# Altium PCB 400484.PcbDoc (part 1 of 5)
Units mil, origin at the board's own origin, x right, y up, seen from the top; angles counter-clockwise.
Board outline 5375.1 x 2500 mil, 4 copper layers (Top Layer, Mid-Layer 1, Mid-Layer 2, Bottom Layer), stack 61.731 mil thick; 327 components, 226 nets, 1370 pads, 1365 vias.
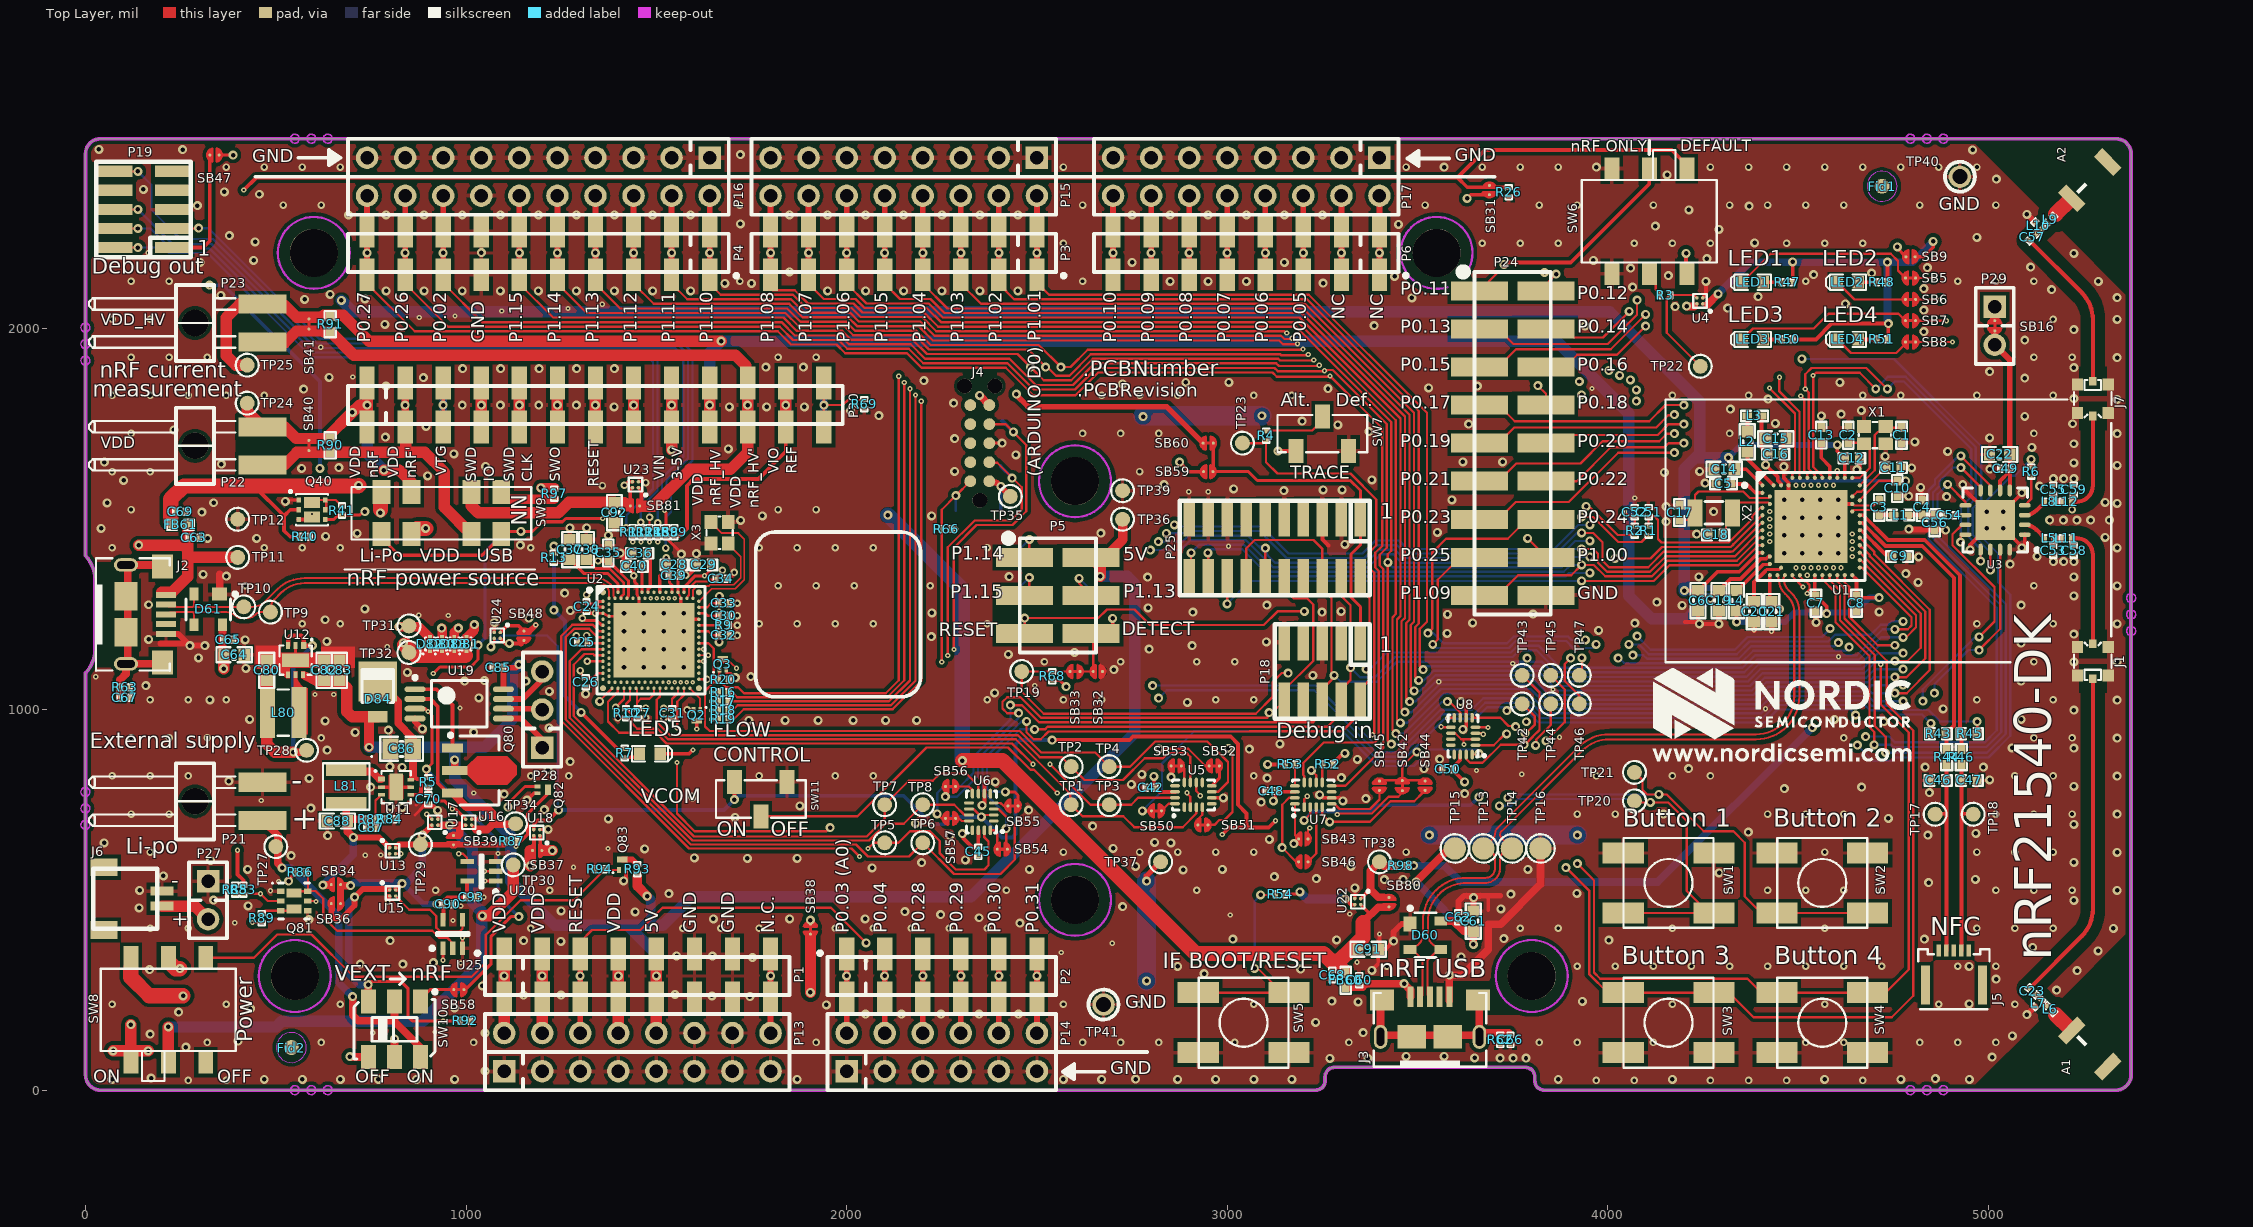
[diagram p0: Top Layer view]
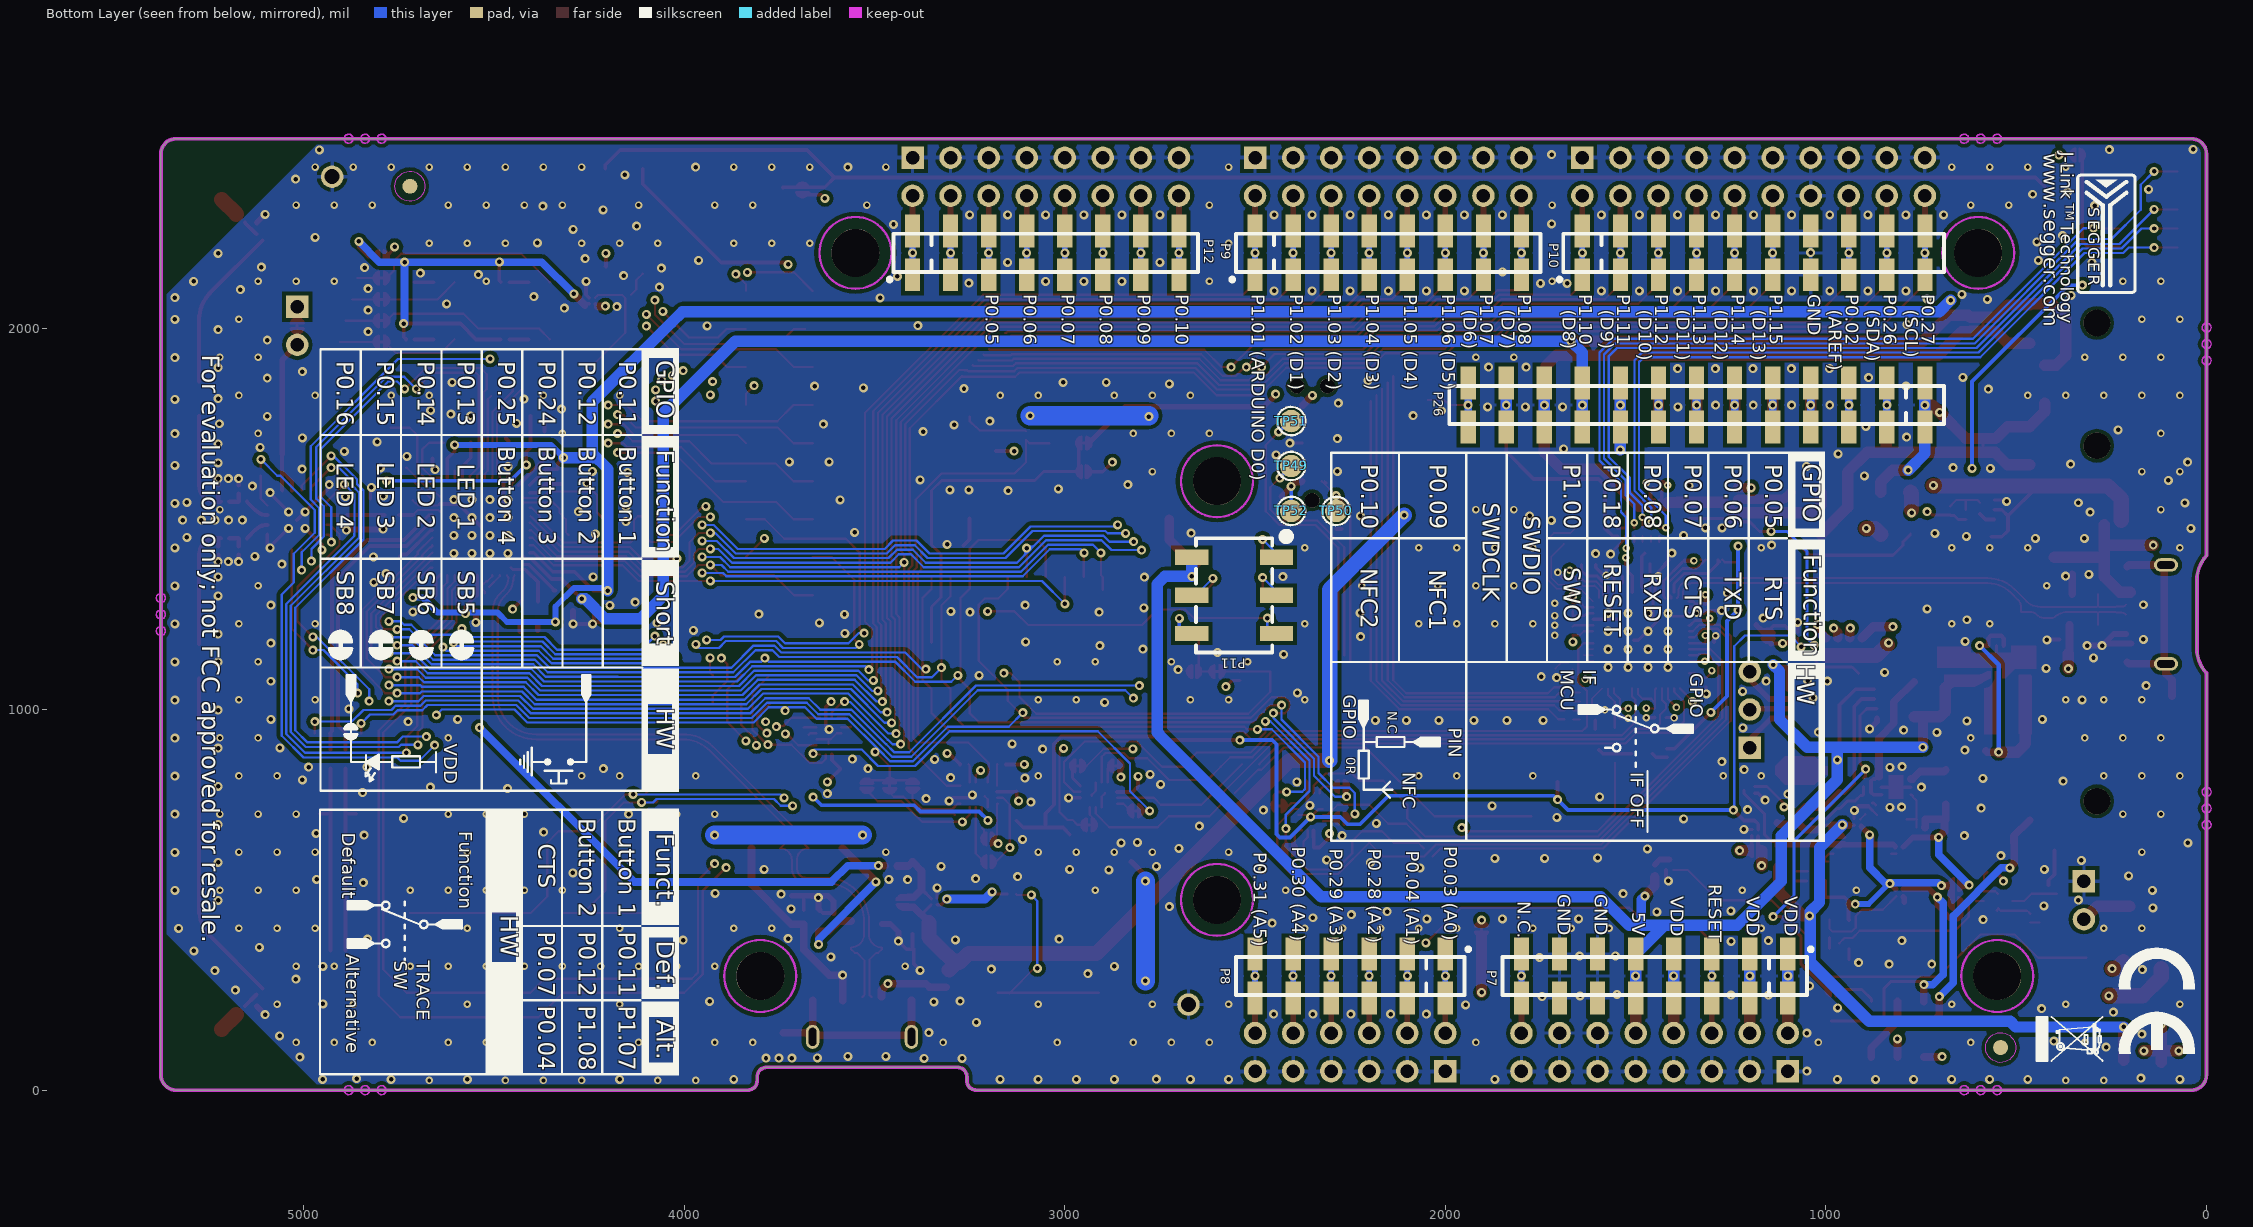
[diagram p1: Bottom Layer view, seen from below]
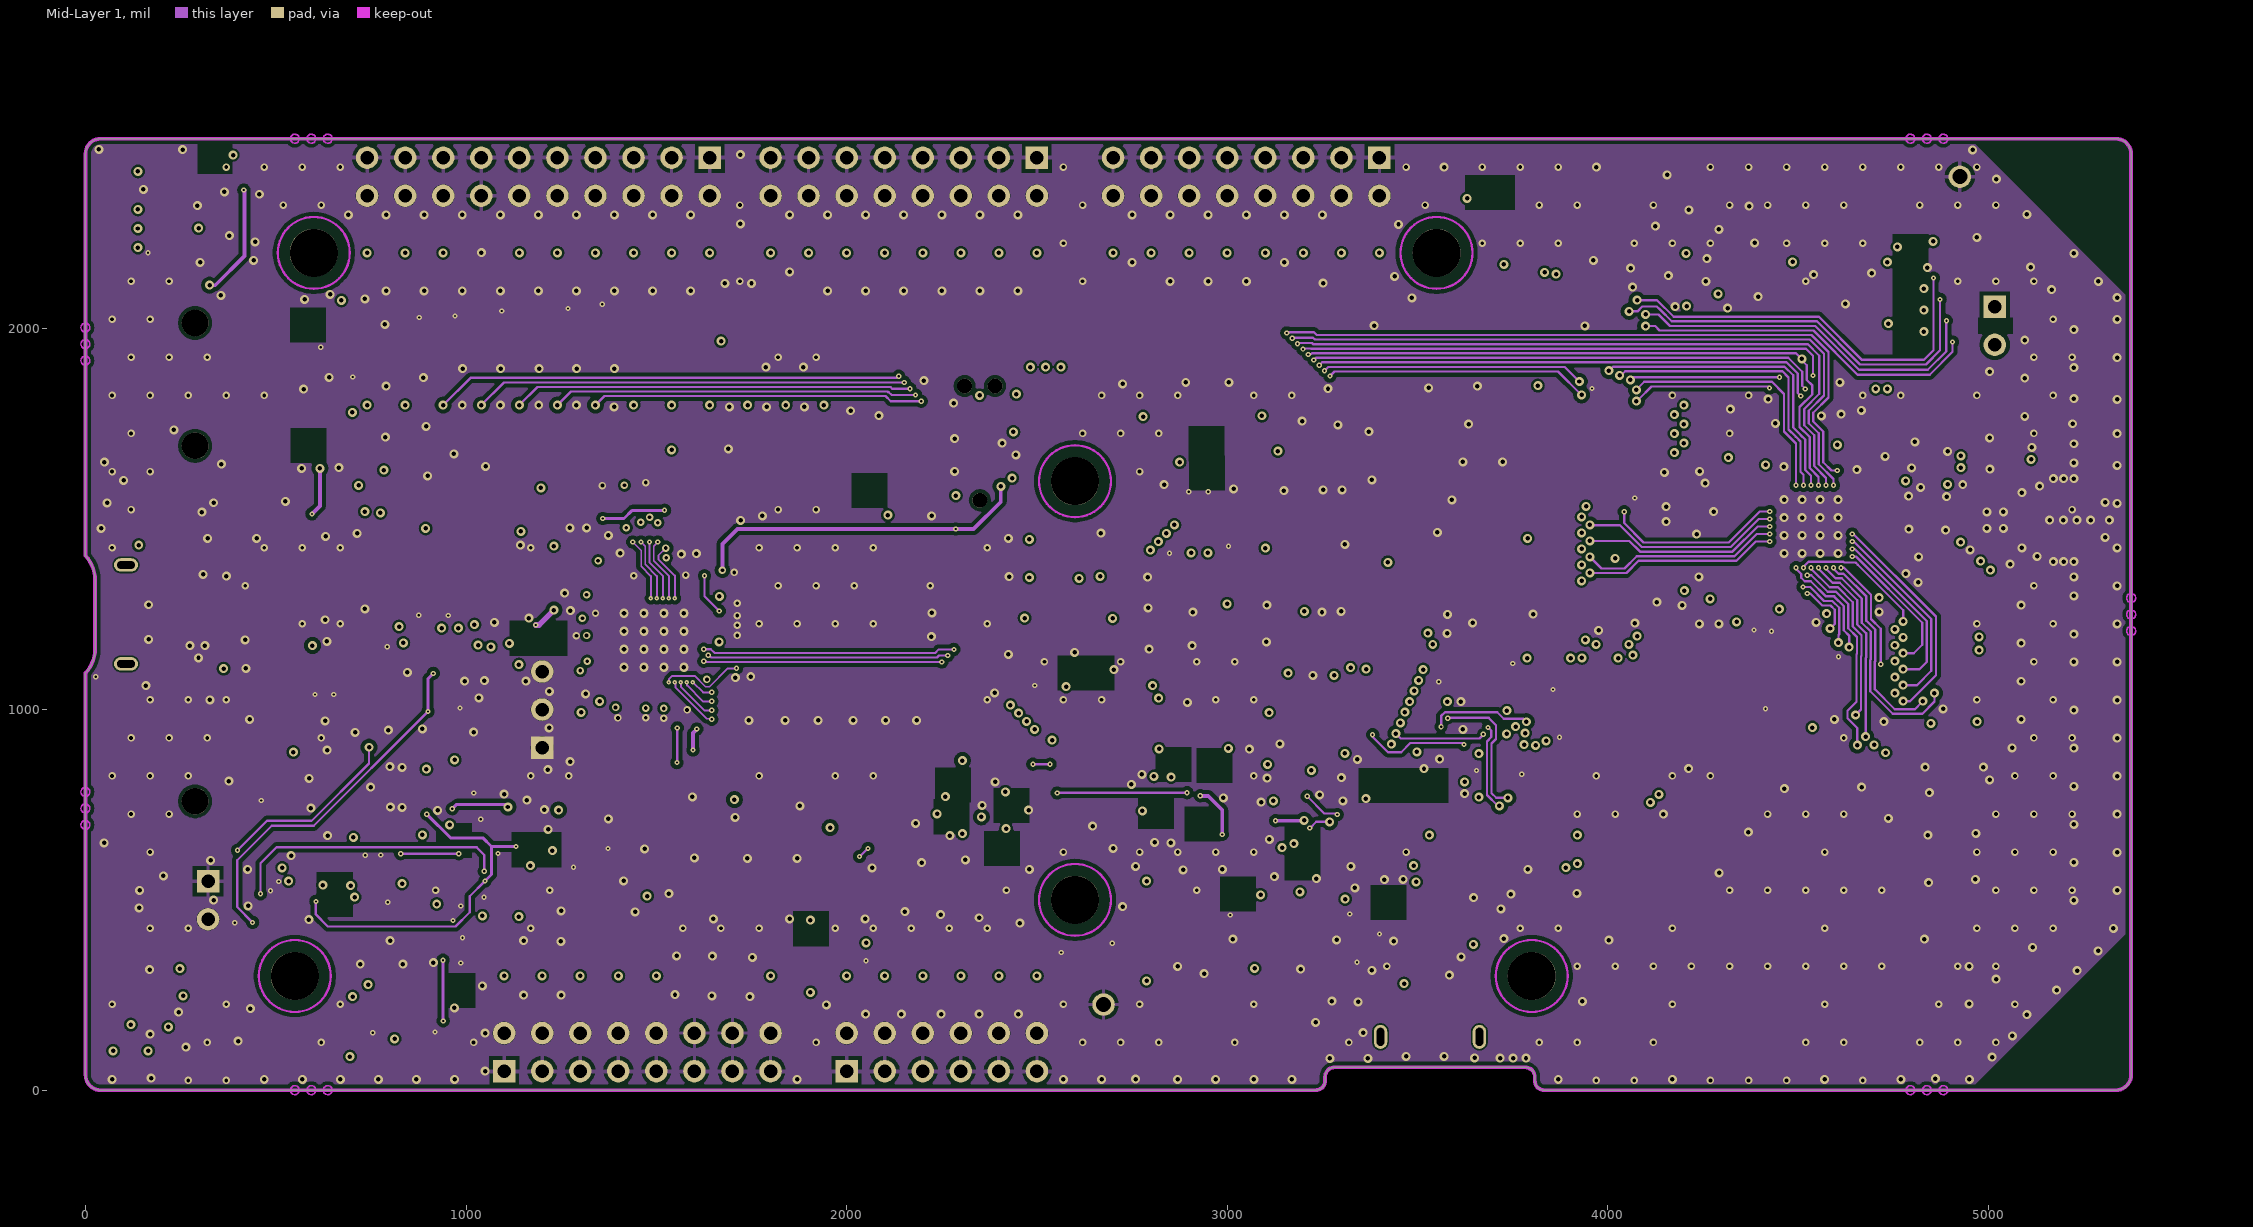
[diagram p2: Mid-Layer 1]
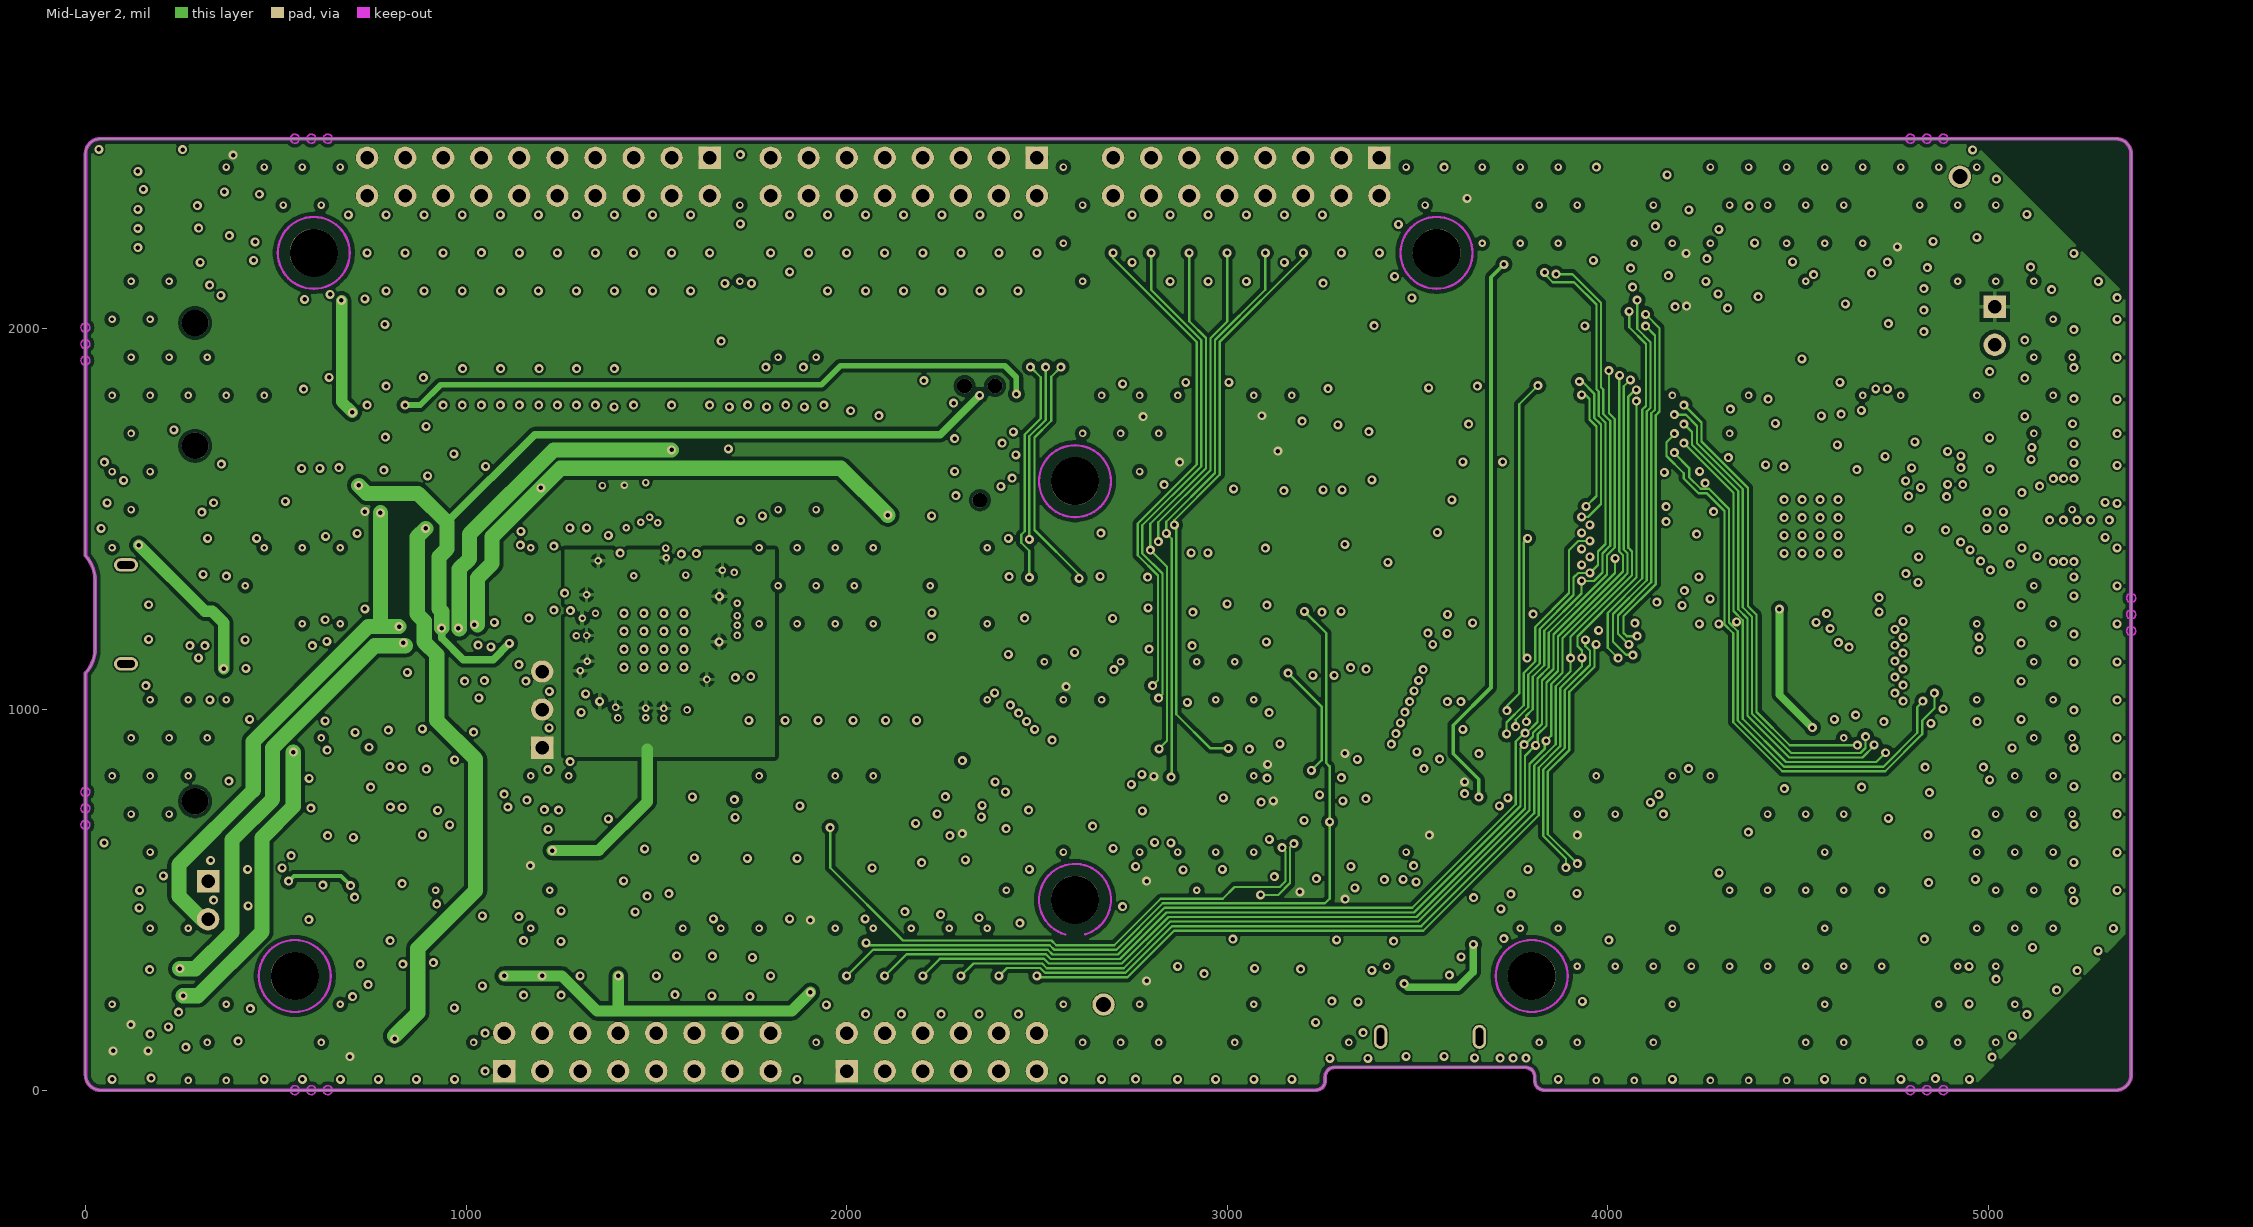
[diagram p3: Mid-Layer 2]
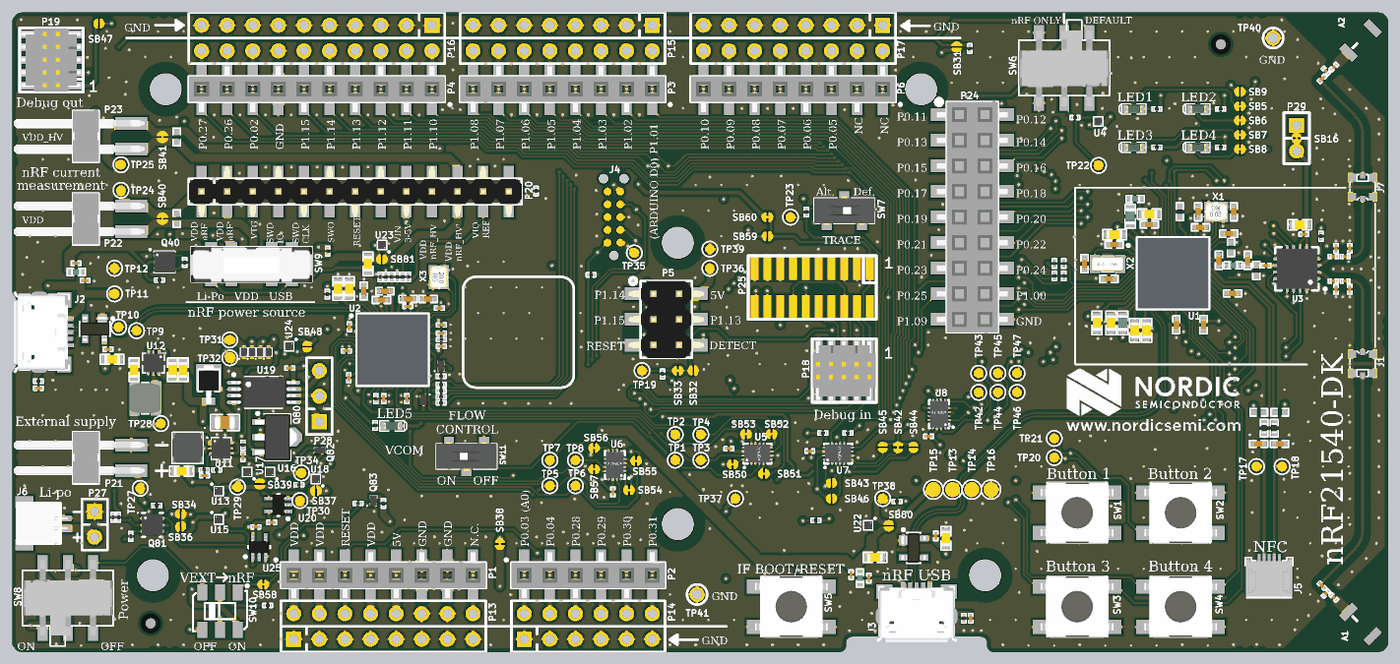
[diagram p8: 3D render of the assembled board from above, using the file's embedded part models]

## Layer stack, top to bottom
Top Solder: solder mask 0.169, Blue, Dk 3.4
Top Layer: signal copper 1.535
Dielectric1: prepreg 3.937, FR4, Dk 4.18
Mid-Layer 1: signal copper 1.181
Dielectric2: core 48.425, FR4, Dk 4.74
Mid-Layer 2: signal copper 1.181
Dielectric3: prepreg 3.937, FR4, Dk 4.18
Bottom Layer: signal copper 1.535
Bottom Solder: solder mask 0.169, Blue, Dk 3.4

## Board outline
0,40 0,1095.81 -0.1,1095.7 ccw(c-69.2,1160.14) 25.29,1160.14 25.29,1339.86 ccw(c-69.2,1339.86) -0.1,1404.3 0,1404.19 0,2460 cw(c40,2460) 40,2500 5335,2500 cw(c5335,2460) 5375,2460 5375,40 cw(c5335,40) 5335,0 3833.05,0 cw(c3833.05,25) 3808.05,25 3808.05,35 ccw(c3783.05,35) 3783.05,60 3282.24,60 ccw(c3282.24,35) 3257.24,35 3257.24,25 cw(c3232.24,25) 3232.24,0 40,0 cw(c40,40)

## Design rules (kind name [scope] priority, off if disabled: settings)
BoardOutlineClearance [Not (OnTopSilkscreen or OnBottomSilkscreen)] p1: gap=10 ignorepadtopadclearanceinfootprint=FALSE
Clearance Microvia_Clearance [AsMM(ViaDiameter) = 0.3 vs AsMM(ViaDiameter) = 0.3] p1: gap=3.94 ignorepadtopadclearanceinfootprint=FALSE
Clearance USB_Poly_Clearance [InNamedPolygon('Top_Layer-GND') or InNamedPolygon('Bottom_Layer-GND') vs InAnyDifferentialPair] p2: gap=11.81 ignorepadtopadclearanceinfootprint=FALSE
Clearance "NPTH clearance" [Not PadIsPlated And HoleSize > 0] p3: gap=9 ignorepadtopadclearanceinfootprint=FALSE except(0: Arc-Hole Track-Hole SMDPad-Hole THPad-Hole Via-Hole Fill-Hole Poly-Hole Region-Hole Text-Hole)
Clearance USB_Clearance [(InDifferentialPairClass('All Differential Pairs'))] p4: gap=4.92 ignorepadtopadclearanceinfootprint=FALSE
Clearance ANT_Clerance [InNetClass('Ant') vs InPolygon] p5: gap=27.56 ignorepadtopadclearanceinfootprint=FALSE
Clearance Polygon_Clearance [InPolygon] p6: gap=10 ignorepadtopadclearanceinfootprint=FALSE except(11.81: Arc-Hole Track-Hole SMDPad-Hole THPad-Hole Via-Hole Fill-Hole Poly-Hole Region-Hole Text-Hole)
Clearance SB_Clearance [HasFootprint('Solderbridge') or HasFootprint('QFN40P180X140X55-10N')] p7: gap=5 ignorepadtopadclearanceinfootprint=FALSE except(0: Arc-Hole Track-Hole SMDPad-Hole THPad-Hole Via-Hole Fill-Hole Poly-Hole Region-Hole Text-Hole)
Clearance CSP_Clearance [HasFootprint('BGA4C40P2X2_76X76X62') or InComponent('U1') or InComponent('U2')] p8: gap=4.92 ignorepadtopadclearanceinfootprint=FALSE
Clearance P23_Clearance [HasFootprint('FPC_05P-0.5mm-RA-SMD')] p9: gap=5 ignorepadtopadclearanceinfootprint=FALSE except(0: Arc-Hole Track-Hole SMDPad-Hole THPad-Hole Via-Hole Fill-Hole Poly-Hole Region-Hole Text-Hole)
Clearance PSON35P100X50-8N_Clearance [HasFootprint('PSON35P100X50-8N')] p10: gap=5.91 ignorepadtopadclearanceinfootprint=FALSE except(0: Arc-Hole Track-Hole SMDPad-Hole THPad-Hole Via-Hole Fill-Hole Poly-Hole Region-Hole Text-Hole)
Clearance Top_layer_Clearance [All vs OnLayer('Top Layer')] p11: gap=4.53 ignorepadtopadclearanceinfootprint=FALSE
Clearance [All] p12: gap=5.91 ignorepadtopadclearanceinfootprint=FALSE except(0: Arc-Hole Track-Hole SMDPad-Hole THPad-Hole Via-Hole Fill-Hole Poly-Hole Region-Hole Text-Hole)
ComponentClearance [All] p1 off: gap=10 collisioncheckmode=3 verticalgap=10 showdistances=FALSE
DiffPairsRouting [All] p1: maxlimit=8.66 minlimit=4.92 mostfreqgap=7.87 toplayer_minwidth=4.92 toplayer_maxwidth=5.91 toplayer_prefwidth=5.35 midlayer1_minwidth=4.92 midlayer1_maxwidth=5.91 midlayer1_prefwidth=5.35 midlayer2_minwidth=4.92 midlayer2_maxwidth=5.91 midlayer2_prefwidth=5.35 bottomlayer_minwidth=4.92 bottomlayer_maxwidth=5.91 bottomlayer_prefwidth=5.35 maxuncoupledlength=500
FabricationTestPointUsage TestPointUsage [All] p1: valid=0 allowmultiple=FALSE
FabricationTestpoint Testpoint [All] p1: side=3 testpointundercomponent=TRUE minsize=40 maxsize=100 preferedsize=60 minholesize=0 maxholesize=40 preferedholesize=32 testpointgrid=1 allowsidetop=TRUE allowsidebottom=TRUE usegrid=TRUE gridtolerance=0.01
Height [All] p1 off: minheight=0 maxheight=1000 prefheight=500
HoleSize [All] p1: absolutevalues=TRUE maxlimit=196.85 minlimit=3.94 maxpercent=80.000 minpercent=20.000
MinimumAnnularRing [All] p1 off: minimumring=6
MinimumSolderMaskSliver [All] p1: minsoldermaskwidth=2.76
NetAntennae NetAntennae_ANT [InNet('ANT')] p1: netantennaetolerance=1574.8
NetAntennae [All] p2: netantennaetolerance=0
PolygonConnect PolygonConnect_1 [isVia and innet(gnd) or isVia and innet('VDD') or HasFootprint('COAXIAL-SWF') or isVia and innet('VDD_SAM')] p1: connectstyle=Direct reliefconductorwidth=10 reliefentries=4 polygonreliefangle="90 Angle" airgapwidth=10
PolygonConnect [All] p2: connectstyle=Relief reliefconductorwidth=10 reliefentries=4 polygonreliefangle="90 Angle" airgapwidth=10
RoutingVias [All] p1: holewidth=12 width=24 viastyle="Through Hole" minholewidth=3.94 minwidth=11.81 maxholewidth=12 maxwidth=24
SilkToSolderMaskClearance SilkscreenOverComponentPads [IsPad] p1: minsilkscreentomaskgap=7.87 clearancetoexposedcopper=TRUE
SolderMaskExpansion [All] p1: expansion=3 istentingtop=FALSE
UnpouredPolygon [All] p1 off:
Width Width_Diff [(InDifferentialPairClass('All Differential Pairs'))] p1: maxlimit=5.91 minlimit=4.92 preferedwidth=5.35
Width [All] p2: maxlimit=400 minlimit=4.92 preferedwidth=6 minimp=50.000000 maximp=50.000000 favimp=50.000000
20 further rules are at their usual default settings.

## Classes and differential pairs
net class Ant: A1 A1L A2 A2L ANT1 ANT2 NetC53_2 NetC55_2 RF RF_O1 RF_O1_SW RF_O2 RF_O2_SW TRX
differential pair IMCU: +IMCU_P -IMCU_N
differential pair D: +D_P -D_N

## Components (designator, comment, footprint, x,y, rotation, side; value= is the part's Value field where it differs from the comment)
A1 "2450AT18B100" 2450AT18B100 5266.14,109.05 r315 top
A2 "2450AT18B100" 2450AT18B100 5266.14,2390.94 r45 top
C1 "12pF" CAPC1005X04L#1 4771.76,1720.98 r270 top
C2 "12pF" CAPC1005X04L#1 4631.76,1720.98 r90 top
C3 "0.8pF" CAPC1005X04L#2 4713.2,1531.21 r270 top
C4 "0.5pF" CAPC1005X04L#2 4825.6,1531.03 r270 top
C5 "100nF" CAPC1005X04L#1 4304.08,1592.73 r180 top
C6 "4.7µF" CAPC1608X06L 4236.72,1286.12 r270 top
C7 "100nF" CAPC1005X04L#1 4546.84,1279.23 r270 top
C8 "100nF" CAPC1005X04L#1 4653.09,1279.23 r270 top
C9 "820pF" CAPC1005X04L#1 4766.28,1402.26 r0 top
C10 "N.C." CAPC1005X04L_NC 4760.6,1581 r90 top
C11 "100pF" CAPC1005X04L#1 4750.53,1635.53 r0 top
C12 "100nF" CAPC1005X04L#1 4641.28,1660.13 r0 top
C13 "N.C." CAPC1005X04L_NC 4560.57,1721.16 r90 top
C14 "1.0µF" CAPC1608X06L 4305.65,1631.65 r180 top
C15 "1.0µF" CAPC1608X06L 4441.48,1711.87 r180 top
C16 "47nF" CAPC1005X04L#1 4441,1671 r0 top
C17 "12pF" CAPC1005X04L#1 4188.39,1517.73 r270 top
C18 "12pF" CAPC1005X04L#1 4283.39,1458.73 r0 top
C19 "4.7µF" CAPC1608X06L 4291.87,1286.12 r270 top
C20 "4.7µF" CAPC1608X06L 4384.39,1257.57 r270 top
C21 "4.7µF" CAPC1608X06L 4430.65,1257.57 r270 top
C22 "10µF" CAPC1608X06L 5029.26,1670.36 r0 top
C23 "5.6pF" CAPC0603X03L_C#1 5115.78,259.41 r135 top
C24 "100nF" CAPC0603X03L_C#2 1316.49,1270.74 r270 top
C25 "100nF" CAPC0603X03L_C#2 1305.66,1177.24 r180 top
C26 "100nF" CAPC0603X03L_C#2 1314.96,1071.85 r270 top
C27 "100nF" CAPC0603X03L_C#2 1451.25,990.23 r270 top
C28 "1.0µF" CAPC1005X04L#1 1546.8,1379.99 r0 top
C29 "1.0µF" CAPC1005X04L#1 1624.56,1379.99 r0 top
C30 "2.2nF" CAPC0603X03L_C#2 1676.72,1246.16 r0 top
C31 "100nF" CAPC0603X03L_C#2 1541.34,990.23 r270 top
C32 "100nF" CAPC0603X03L_C#2 1676.72,1194.95 r0 top
C33 "100nF" CAPC0603X03L_C#2 1676.72,1279.16 r0 top
C34 "100nF" CAPC0603X03L_C#2 1668.85,1344.22 r0 top
C35 "1.0µF" CAPC1005X04L#1 1373.57,1411.49 r270 top
C36 "1.0µF" CAPC1005X04L#1 1456.25,1410.7 r0 top
C37 "4.7µF" CAPC1608X06L 1272.2,1420.54 r90 top
C38 "4.7µF" CAPC1608X06L 1316.49,1420.54 r90 top
C39 "100nF" CAPC0603X03L_C#2 1545.58,1351.45 r0 top
C40 "1.0µF" CAPC1005X04L#1 1442.47,1376.25 r0 top
C42 "100nF" CAPC0603X03L_C#2 2799,795 r0 top
C45 "100nF" CAPC0603X03L_C#2 2346,626 r90 top
C46 "300pF" CAPC1005X04L#1 4868,813.73 r180 top
C47 "300pF" CAPC1005X04L#1 4950,813.73 r180 top
C48 "100nF" CAPC0603X03L_C#2 3115,786 r0 top
C49 "100nF" CAPC0603X03L_C#2 5044.69,1633.03 r0 top
C50 "100nF" CAPC0603X03L_C#2 3579,843 r0 top
C51 "N.C." CAPC0603X03L_C_NC 4107,1519 r270 top
C52 "N.C." CAPC0603X03L_C_NC 4071,1519 r90 top
C53 "2.0pF" CAPC0603X03L_C#3 5170.28,1417.91 r90 top
C54 "1.0pF" CAPC0603X03L_C#3 4897.24,1510.83 r0 top
C55 "2.0pF" CAPC0603X03L_C#3 5170.28,1577.89 r270 top
C56 "N.C." CAPC1005X04L_NC 4859.25,1491.14 r270 top
C57 "5.6pF" CAPC0603X03L_C#3 5115.78,2240.58 r225 top
C58 "1.0pF" CAPC0603X03L_C#1 5224.41,1417.91 r90 top
C59 "1.0pF" CAPC0603X03L_C#1 5224.41,1577.89 r270 top
C60 "10nF" CAPC0603X03L_C#2 3346.27,289.03 r270 top
C61 "10µF" CAPC1608X06L 3646.57,444.03 r270 top
C62 "100nF" CAPC0603X03L_C#2 3607.57,454.03 r270 top
C63 "10nF" CAPC0603X03L_C#2 285,1452 r0 top
C64 "10µF" CAPC1608X06L 390.64,1144 r180 top
C65 "100nF" CAPC0603X03L_C#2 374.61,1184 r180 top
C66 "4.7nF" CAPC0603X03L_C#2 3744.25,132.11 r90 top
C67 "4.7nF" CAPC0603X03L_C#2 102.84,1031 r180 top
C68 "100nF" CAPC0603X03L_C#2 3276.5,302.5 r90 top
C69 "100nF" CAPC0603X03L_C#2 249.6,1519.7 r180 top
C70 "470nF" CAPC0603X03L_C#4 901.18,764.17 r270 top
C80 "10µF" CAPC1608X06L 476.35,1103.2 r270 top
C82 "10µF" CAPC1608X06L 626.94,1103.2 r270 top
C83 "10µF" CAPC1608X06L 667.29,1103.2 r270 top
C85 "100nF" CAPC0603X03L_C#2 1084,1110 r0 top
C86 "4.7µF" CAPC2012X11L 831,897 r0 top
C87 "150pF" CAPC0603X03L_C#2 751,690 r180 top
C88 "10µF" CAPC1608X06L 662,707 r0 top
C90 "100nF" CAPC0603X03L_C#2 952,489 r180 top
C91 "1.0µF" CAPC1608X06L 3370,370 r180 top
C92 "1.0µF" CAPC1608X06L 1389.76,1517.72 r90 top
C93 "100nF" CAPC0603X03L_C#2 1014,507 r180 top
D60 "PRTR5V0U2X" SOT190P230X110-4L 3520.76,407.08 r0 top
D61 "PRTR5V0U2X" SOT190P230X110-4L 322.61,1263 r270 top
D80 "NSR0620P2T5G" SODFL100X40-2N 937,1171.87 r90 top
D81 "NSR0620P2T5G" SODFL100X40-2N 1001,1171.87 r90 top
D82 "NSR0620P2T5G" SODFL100X40-2N 905,1171.87 r90 top
D83 "NSR0620P2T5G" SODFL100X40-2N 969,1171.87 r90 top
D84 "MBRM110E" DO-216AA 768,1046 r270 top
FB60 "120R/0.55A" INDC1005X04L#1 3311.27,289.03 r90 top
FB61 "120R/0.55A" INDC1005X04L#1 249.9,1485.6 r180 top
Fid1 "Fiducial mark" Fiducial 4720.47,2375 r180 top value=N.A.
Fid2 "Fiducial mark" Fiducial 541.05,112 r0 top value=N.A.
J1 "MM8130-2600" COAXIAL-SWF 5274.41,1126.97 r0 top
J2 "MicroUSB-B" USB-Micro-B-RA-SMD-PiP 211.84,1250 r0 top
J3 "MicroUSB-B" USB-Micro-B-RA-SMD-PiP 3532.65,245.35 r90 top
J4 "TC2050-IDC" TC2050-IDC-NLFP 2350,1700 r90 top locked
J5 "FPC 0.5mm RA SMD" FPC_05P-0.5mm-RA-SMD 4869.99,367.25 r0 top
J6 "HDR-2, 1mm" SM02B-SRSS-TB 201,503 r270 top
J7 "MM8130-2600" COAXIAL-SWF 5274.41,1816.93 r180 top
L1 "4.7nH" INDC1005X04L#2 4769.2,1511.21 r0 top
L2 "10µH" INDC1608X06L 4366.68,1703.44 r270 top
L3 "15nH" INDC1005X04L#1 4385.38,1771.35 r180 top
L4 "10µH" INDC1608X06L 4338.13,1286.12 r90 top
L5 "1.9nH" INDC0603X03L_C#1 5159.49,1450.24 r0 top
L6 "2.0nH" INDC0603X03L_C#1 5162.01,213.19 r315 top
L7 "2.7nH" INDC0603X03L_C#1 5130.91,228.35 r225 top
L8 "1.9nH" INDC0603X03L_C#1 5159.49,1545.83 r0 top
L9 "2.0nH" INDC0603X03L_C#2 5162.01,2286.81 r45 top
L10 "2.7nH" INDC0603X03L_C#1 5130.91,2271.65 r135 top
L11 "3.0nH" INDC0603X03L_C#1 5206.3,1450.24 r0 top
L12 "3.0nH" INDC0603X03L_C#1 5206.3,1545.83 r0 top
L80 "4.7µH" VLS3012HBX 519.65,991.98 r0 top
L81 "4.7µH" TY-NR3015 685,798 r270 top
LED1 "L0603G" LED_0603_G 4380.83,2122.73 r0 top
LED2 "L0603G" LED_0603_G 4630.83,2122.73 r0 top
LED3 "L0603G" LED_0603_G 4380.83,1972.73 r0 top
LED4 "L0603G" LED_0603_G 4630.83,1972.73 r0 top
LED5 "L0603G" LED_0603_G 1483.27,883.86 r180 top
P1 "Socket 1x8" SOCKET_1x8_SMD 1100,300 r0 top locked
P2 "Socket 1x6" SOCKET_1x6_SMD 2000,300 r0 top locked
P3 "Socket 1x8" SOCKET_1x8_SMD 2500,2200 r180 top locked
P4 "Socket 1x10" SOCKET_1x10_SMD 1640,2200 r180 top locked
P5 "Pin Hdr 2x3" HDR_2x3-SMD 2555,1300 r270 top locked
P6 "Socket 1x8" SOCKET_1x8_SMD 3400,2200 r180 top locked
P7 "Pin List 1x8" LIST_1x8_SMD-NC 1100,300 r0 bottom locked
P8 "Pin List 1x6" LIST_1x6_SMD-NC 2000,300 r0 bottom locked
P9 "Pin List 1x8" LIST_1x8_SMD-NC 2500,2200 r180 bottom locked
P10 "Pin List 1x10" LIST_1x10_SMD-NC 1640,2200 r180 bottom locked
P11 "Socket 2x3" SOCKET_2x3_SMD-2.54mm-bottom-NC 2555,1300 r270 top locked
P12 "Pin List 1x8" LIST_1x8_SMD-NC 3400,2200 r180 bottom locked
P13 "Pin Header 2x8" HDR_2x8-NC 1450,100 r0 top locked
P14 "Pin Header 2x6" HDR_2x6-NC 2250,100 r0 top locked
P15 "Pin Header 2x8" HDR_2x8-NC 2150,2400 r180 top locked
P16 "Pin Header 2x10" HDR_2x10-NC 1190,2400 r180 top locked
P17 "Pin Header 2x8" HDR_2x8-NC 3050,2400 r180 top locked
P18 "Pin Header 2x5, 1.27mm" HDR_2x5-SMD-1.27mm-K 3250,1100 r180 top locked
P19 "Pin Header 2x5, 1.27mm" HDR_2x5-SMD-1.27mm-K 152.99,2314 r90 top
P20 "Pin List 1x13" LIST_1x13_SMD 740,1800 r0 top locked
P21 "Pin List 1x2, Angled" LIST_ANG_1x2-SMD-2.54MM 464.99,759 r270 top
P22 "Pin List 1x2, Angled" LIST_ANG_1x2-SMD-2.54MM 464.99,1692.91 r270 top